# Altium PCB PLD.PcbDoc (part 4 of 4) (continued)
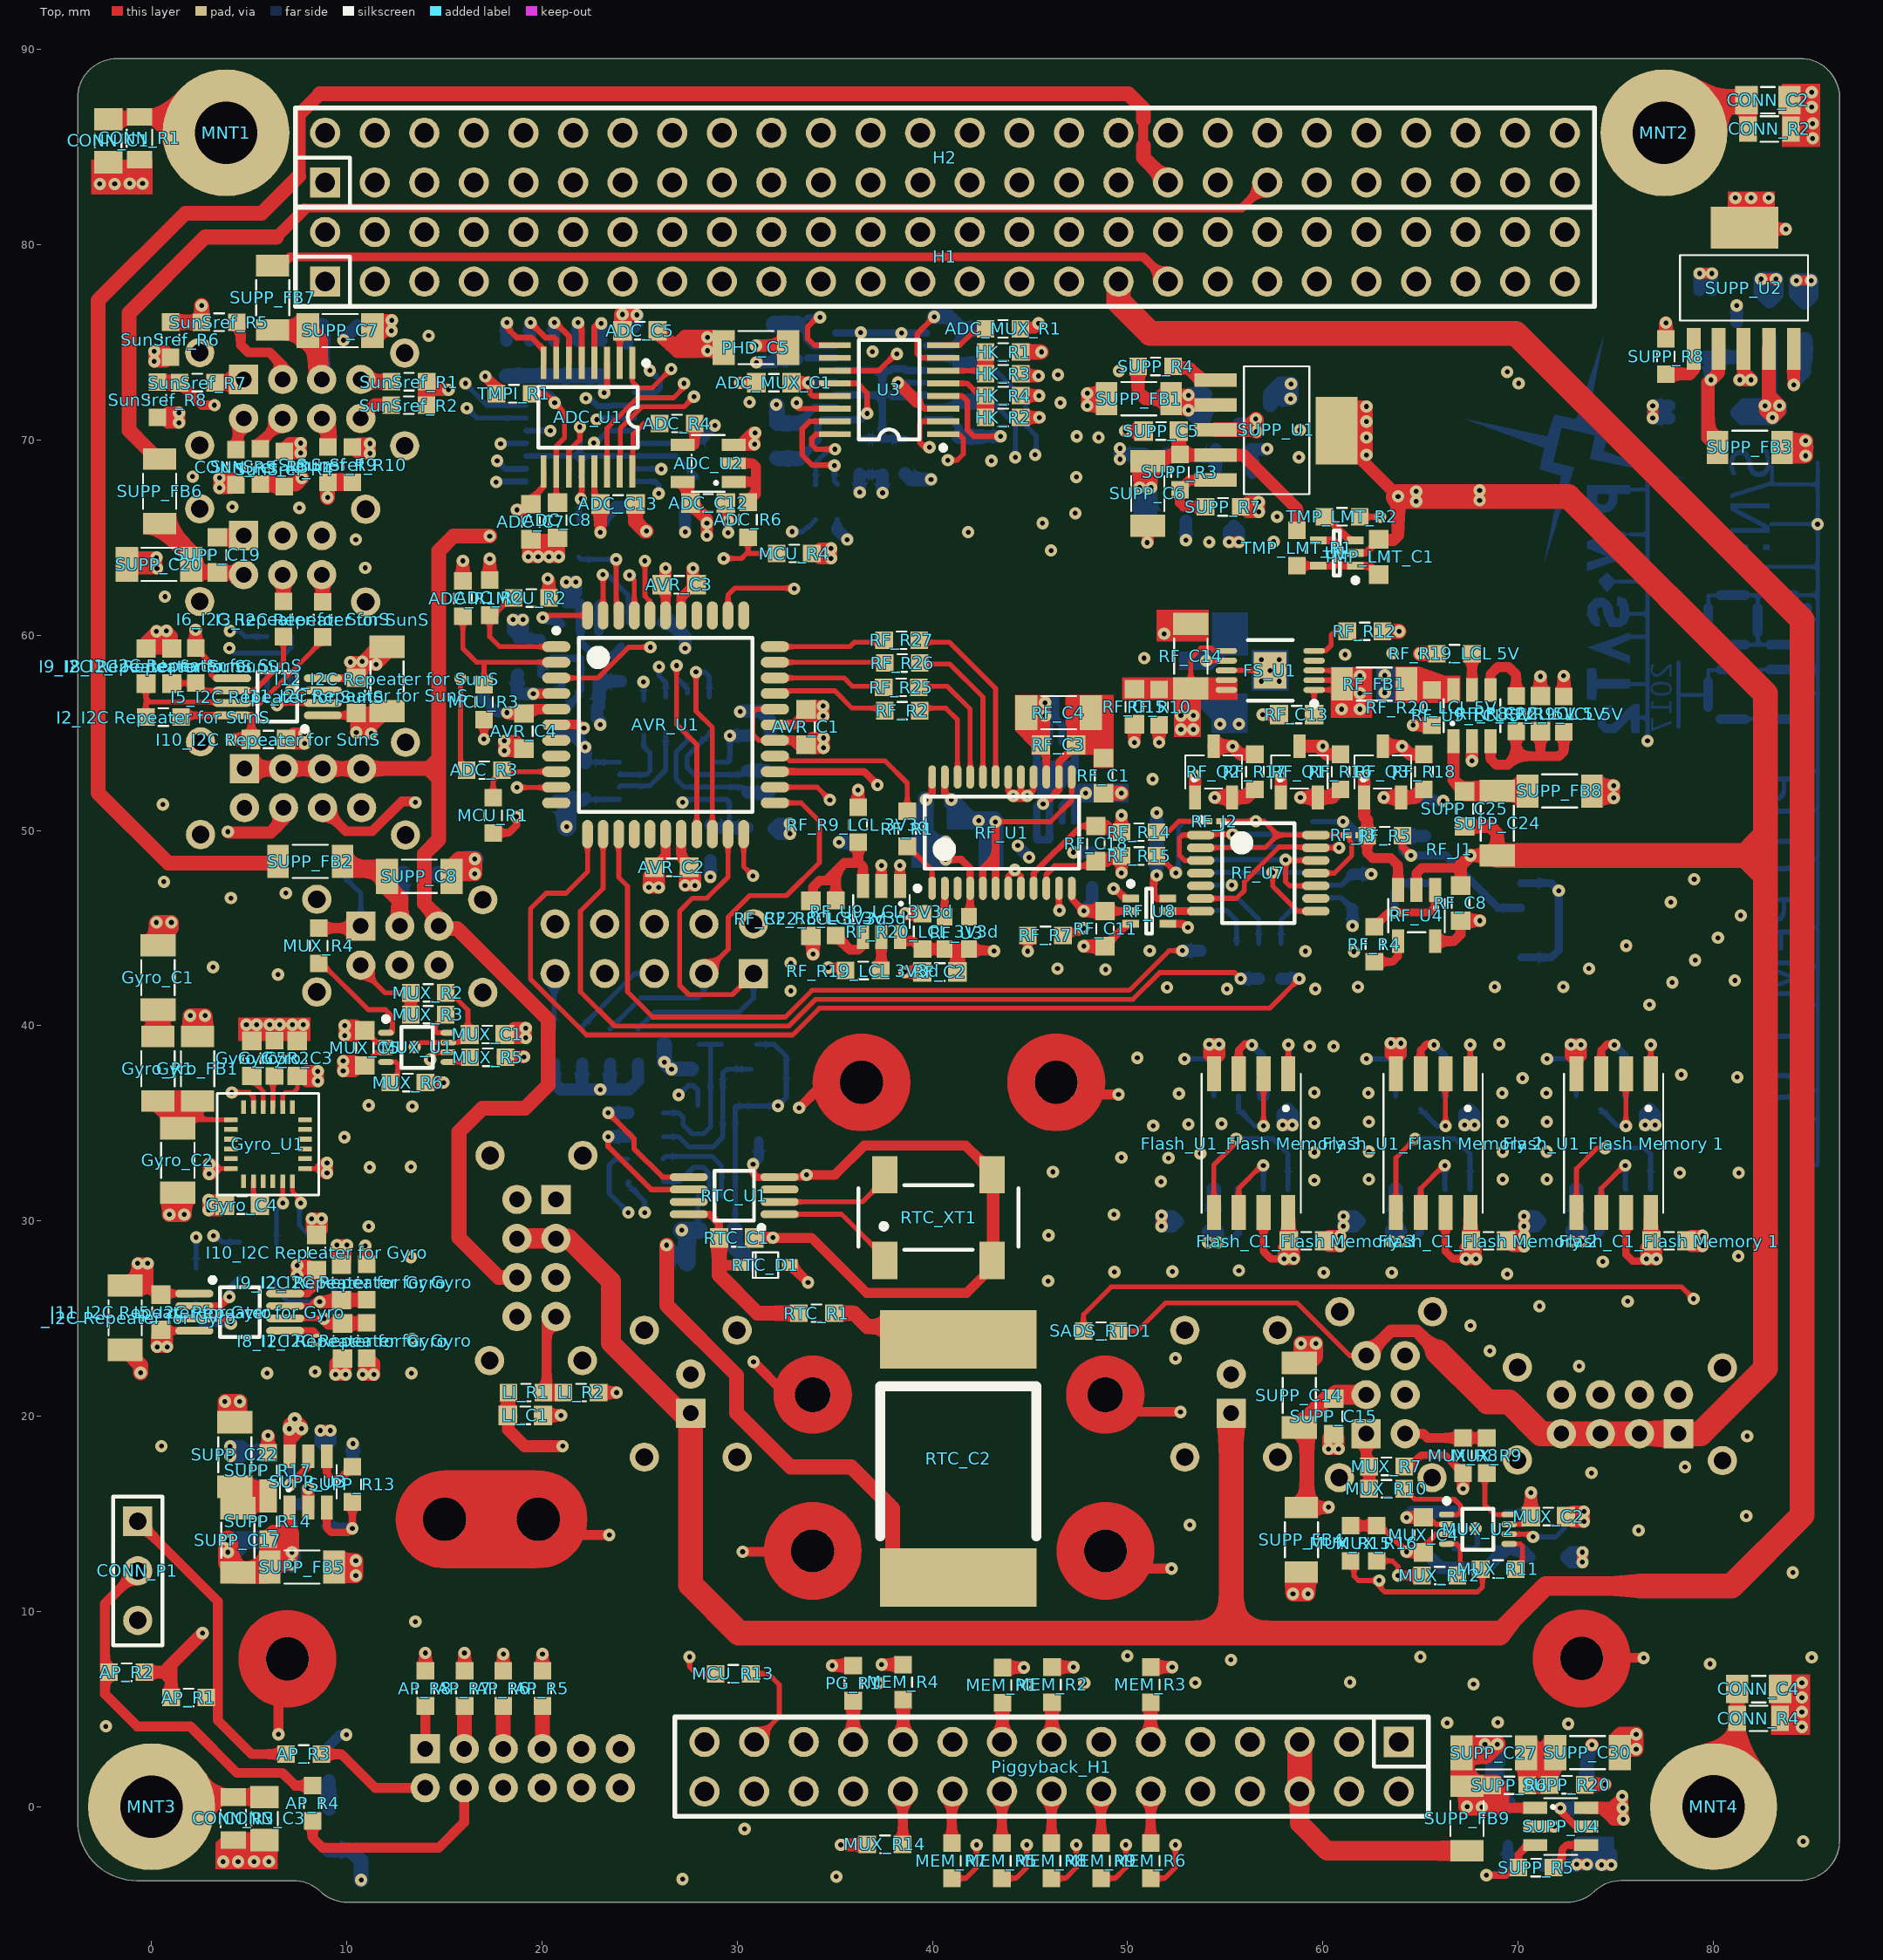
[diagram p0: Top view]
## Nets (pads, with @x,y where several pads share a name; then routed paths per layer and width w, separated by ;. In a path a pad name is that pad's centre, name@x,y a point inside that pad or via, vN(x,y) a via of type N, cw(c..) or ccw(c..) an arc to the next point about the centre after c; other vN are vias at no path point) (continued)
SCK: ADC_R6.2 AVR_U1.3 MCU_R4.2 | length 15.1
  Top w0.254: AVR_U1.3@20.728,57.812 22.857,57.812 24.431,59.386 v1(25.548,59.386) ; v1(29.308,63.932) 30.222,63.932 30.476,64.186 MCU_R4.2@32.015,64.186 ; 30.552,64.263 ADC_R6.2@30.552,65.014
  Signal Layer 1 w0.254: v1(25.548,59.386) 25.548,59.538 29.308,63.297 v1(29.308,63.932)
SCK_R: "Flash_U1_Flash Memory 1.6" "Flash_U1_Flash Memory 2.6" "Flash_U1_Flash Memory 3.6" "U4_FRAM Memory 1.6" "U4_FRAM Memory 2.6" "U4_FRAM Memory 3.6" MEM_R3.2 | length 62.2
  Top w0.254: 55.688,30.428 55.688,31.665 56.864,32.841 v1(56.947,32.841) ; 65.009,30.428 65.009,31.665 66.186,32.841 v1(66.243,32.841) ; 74.255,30.428 74.255,31.665 75.431,32.841 v1(75.489,32.841)
  Top w0.635: MEM_R3.2@51.177,7.149 v1(52.28,7.149)
  Signal2 w0.254: v1(52.28,7.149) 54.123,8.992 54.123,26.34 53.234,27.229 53.234,31.865 54.21,32.841 v1(56.947,32.841) v1(66.243,32.841) v1(75.489,32.841)
  Bottom w0.254: 56.943,31.621 56.947,31.625 v1(56.947,32.841) ; v1(66.243,32.841) 66.243,31.643 66.265,31.621 ; v1(75.489,32.841) 75.489,31.643 75.511,31.621
SCL: "I3_I2C Repeater for PLD.1" AVR_U1.19 | length 10.7
  Top w0.254: v1(26.895,58.446) 26.895,55.423 27.928,54.39 AVR_U1.19@27.928,49.812
  Bottom w0.254: v1(26.895,58.446) 26.895,57.811 27.453,57.252 27.453,57.06
SDA: "I6_I2C Repeater for PLD.1" AVR_U1.20 | length 10.5
  Top w0.254: v1(27.885,58.116) 27.885,56.109 28.728,55.267 AVR_U1.20@28.728,49.812
  Bottom w0.254: v1(27.885,58.116) 28.342,58.116 28.571,57.887 28.571,56.831
SENS_3V3D: "I1_I2C Repeater for PLD.1" "I2_I2C Repeater for PLD.1" "I5_I2C Repeater for PLD.5" "I5_I2C Repeater for PLD.8" "I10_I2C Repeater for PLD.2" "RF_U9_LCL 3V3d.1" ADC_C11.1 ADC_C12.1 ADC_C13.1 ADC_U1.13 ADC_U2.5 AVR_C1.1 AVR_C2.1 AVR_C3.1 AVR_C4.1 AVR_P1.4 AVR_U1.5 AVR_U1.17 AVR_U1.27 AVR_U1.29 AVR_U1.38 HK_R1.1 MCU_R1.1 MCU_R2.1 MCU_R3.1 MCU_R4.1 MCU_R9.1 MCU_R10.1 MCU_R11.1 MCU_R12.1 R1.1 RF_C20.1 RF_R21.2 RF_U10.4 SUPP_C10.1 SUPP_C13.1 SUPP_R10.1 SUPP_U2.4 | length 160.3
  Top w0.254: AVR_U1.27@31.928,54.612 31.102,54.612 30.806,54.908 30.806,56.033 30.985,56.212 AVR_U1.29@31.928,56.212
  Top w0.305: ADC_U1.13@22.679,68.389 22.679,67.029 ADC_C13.1@22.989,66.719
  Top w0.381: v1(17.027,54.674) MCU_R3.1@17.027,55.674 ; MCU_R1.1@17.497,49.875 18.298,49.875 18.69,50.267 v1(18.69,50.699)
  Top w0.508: AVR_C4.1@19.071,55.993 19.29,56.212 AVR_U1.5@20.728,56.212 ; AVR_C2.1@25.741,48.108 26.328,48.695 AVR_U1.17@26.328,49.812 ; AVR_U1.38@27.128,61.012 27.128,61.919 AVR_C3.1@27.718,62.51 ; AVR_U1.27@31.928,54.612 32.851,54.612 AVR_C1.1@33.067,54.396 ; 38.335,47.158 v1(38.335,48.21)
  Top w0.6: ADC_U2.5@27.453,67.793 27.453,66.928 ADC_C12.1@27.612,66.769
  Top w0.635: v1(18.208,56.033) 18.248,55.993 AVR_C4.1@19.071,55.993 ; v1(20.291,62.891) 20.352,62.829 MCU_R2.1@20.352,61.9 ; v1(22.989,65.273) ADC_C13.1@22.989,66.719 ; ADC_C12.1@27.612,66.769 28.444,65.937 v1(28.444,65.736) v1(28.444,65.101) ; AVR_C3.1@27.718,62.51 27.718,63.41 v1(27.733,63.424) ; v1(83.029,71.146) 82.648,71.527 v1(82.648,71.756) v1(83.384,71.756) ; v1(25.474,47.082) 25.978,47.082 25.978,47.653 25.726,47.905 25.474,47.653 v1(25.474,47.082) ; AVR_C1.1@33.6,54.484 33.852,54.735 34.423,54.735 v1(34.423,54.232) 33.852,54.232 AVR_C1.1@33.6,54.484 ; MCU_R4.1@33.981,64.186 34.233,63.935 v1(34.804,63.935) 34.804,64.438 34.233,64.438 MCU_R4.1@33.981,64.186
  Top w0.711: v1(82.648,71.756) 82.845,71.953 82.845,72.295 ; SUPP_U2.4@82.845,74.668 82.845,72.295 ; v1(83.029,71.146) 83.384,71.502 v1(83.384,71.756) 82.845,72.295
  Top w0.762: HK_R1.1@44.517,74.506 v1(45.582,74.506)
  Power w0.635: 19.643,41.644 20.011,41.276 22.983,41.276 v1(22.983,36.729)
  Power w0.762: v1(27.733,63.424) 29.676,61.481 33.288,61.481 33.428,61.621
  Power w2.54: 35.353,63.12 36.115,62.358 73.965,62.358 v1@82.842,71.234
  Signal2 w0.254: v1(28.444,65.736) 29.206,66.498 40.331,66.498 42.211,68.377 42.211,71.591 45.125,74.506 v1(45.582,74.506)
  Bottom w0.254: v1(27.199,51.436) 27.352,51.588 28.737,51.588 29.484,51.588 29.598,51.474 29.598,50.382 ; 28.737,53.493 29.535,53.493 29.623,53.582 v1(29.623,54.852)
  Bottom w0.508: R1.1@16.927,57.024 16.927,56.781 17.674,56.033 v1(18.208,56.033)
  Bottom w0.635: MCU_R12.1@20.621,38.039 20.621,37.059 20.951,36.729 22.069,36.729 ; MCU_R11.1@22.052,38.039 22.052,36.746 22.069,36.729 ; v1(22.983,55.423) 22.983,55.591 22.816,55.758 RF_R21.2@22.816,56.276 22.917,56.377 RF_U10.4@22.917,57.608 22.946,57.637 RF_C20.1@24.05,57.637 ; v1(22.989,65.273) 22.989,65.769 23.803,66.583 ADC_C11.1@24.235,66.583 ; MCU_R10.1@23.483,38.039 23.483,36.788 23.542,36.729 ; MCU_R9.1@24.913,38.039 24.913,37.186 24.456,36.729 23.542,36.729 ; 28.622,50.278 28.758,50.142 30.527,50.142 ; v1(29.623,54.852) 30.49,54.852 30.501,54.863 ; 22.069,36.729 v1(22.983,36.729) 23.542,36.729
  Bottom w0.762: SUPP_C13.1@82.876,75.224 82.876,71.984 ; v1(82.648,71.756) 82.876,71.984 ; v1(82.648,71.756) 81.605,71.756 SUPP_C10.1@81.25,71.4 81.504,71.146 v1(83.029,71.146) ; v1(82.648,71.756) 83.029,71.375 v1(83.029,71.146) ; 82.876,71.984 83.156,71.984 v1(83.384,71.756) 83.384,71.502 v1(83.029,71.146)
  other v1: 25.98,47.082 34.423,54.737 34.804,64.44
SENS_4V1A: ADC_C5.1 ADC_C10.1 ADC_U1.2 PHD_R6.1 SUPP_C1.1 SUPP_C4.1 SUPP_R2.1 SUPP_R8.1 SUPP_REF1.1 TMPI_R1.2 | length 85.2
  Top w0.305: ADC_U1.2@23.979,73.939 23.979,75.307 ADC_C5.1@24.27,75.598
  Top w0.508: v1(17.09,73.254) 17.663,72.681 TMPI_R1.2@17.663,72.365
  Top w0.686: SUPP_R8.1@77.568,75.17 v1(77.568,75.997)
  Top w0.889: ADC_C5.1@24.126,75.742 v1(24.126,76.429)
  Power w0.635: v1(17.09,73.254) 21.967,73.254 24.126,75.413 v1(24.126,76.429) ; v1@24.863,76.429 32.769,76.429 38.23,70.968 38.23,69.694 39.852,68.073 45.487,68.073 46.553,69.138 49.169,69.138 v1(49.602,69.571)
  Signal2 w0.254: v1@49.666,68.898 57.414,68.898 58.086,69.57 58.086,70.74 59.915,72.568 69.348,72.568 69.729,72.187 70.318,72.187 70.826,72.695 71.954,72.695 75.256,75.997 v1(77.568,75.997)
  Bottom w0.635: v1@49.577,69.292 50.846,69.292 SUPP_R2.1@50.999,69.138 ; SUPP_R2.1@51.025,69.164 SUPP_C1.1@52.98,69.164 54.302,69.164 54.479,68.987 ; SUPP_REF1.1@54.494,68.316 54.494,69.496 SUPP_C4.1@54.519,69.52
  Bottom w0.686: v1(24.126,76.429) 24.356,76.2 ADC_C10.1@24.356,75.465 ; ADC_C10.1@24.356,74.956 ADC_C10.1@24.356,75.465 ; v1(24.863,76.404) 24.863,75.972 ADC_C10.1@24.356,75.465 ; PHD_R6.1@38.603,68.261 38.886,67.978 v1(39.925,67.978)
  other v1: 49.602,69.012
SENS_4V5A: ADC_MUX_C1.1 PHD_C5.1 PHD_C6.2 PHD_U1.4 SUPP_C5.1 SUPP_C6.1 SUPP_R2.2 SUPP_R3.1 SUPP_U1.4 TMP_IF_C1.1 TMP_IF_U1.13 TMP_LMT_R1.2 U3.13 | length 62.7
  Top w0.279: v1(33.634,72.931) 33.711,72.855 33.711,72.397 33.858,72.25 U3.13@35,72.25
  Top w0.635: v1(30.959,74.829) 32.507,74.829 PHD_C5.1@32.609,74.727 ; ADC_MUX_C1.1@32.782,72.931 v1(33.634,72.931) ; SUPP_C5.1@52.61,70.46 52.61,69.317 SUPP_R3.1@52.676,69.252 ; TMP_LMT_R1.2@58.67,65.366 58.67,66.472 55.921,69.221 SUPP_U1.4@54.501,69.221 52.706,69.221 SUPP_R3.1@52.676,69.252 ; SUPP_C6.1@51.025,69.138 50.618,68.732 v1(50.618,67.565) v1(51.202,67.565) 51.202,68.961 SUPP_C6.1@51.025,69.138 ; SUPP_C6.1@51.025,69.138 52.562,69.138 SUPP_R3.1@52.676,69.252
  Power w0.635: v1(28.85,70.74) 29.308,71.197 29.308,73.903 30.234,74.829 v1(30.959,74.829) 31.736,74.829 v1(33.634,72.931) 39.426,67.14 50.193,67.14 ; 50.193,67.14 v1(50.618,67.565) v1@50.999,67.565 ; 50.193,67.14 50.574,67.14 ; 50.574,67.14 50.777,67.14 v1(51.202,67.565) v1@50.999,67.565 ; 50.574,67.14 v1@50.999,67.565
  Bottom w0.279: TMP_IF_U1.13@24.739,69.824 27.822,69.824 TMP_IF_C1.1@27.911,69.912
  Bottom w0.381: v1(33.634,72.931) 33.636,72.933 PHD_U1.4@35.044,72.933
  Bottom w0.508: TMP_IF_C1.1@28.108,69.997 v1(28.85,70.74)
  Bottom w0.635: PHD_C6.2@32.782,72.931 v1(33.634,72.931) ; v1(51.202,67.565) 51.202,66.042 SUPP_R2.2@50.999,65.838 ; SUPP_R2.2@50.999,65.838 50.618,66.219 v1(50.618,67.565) 50.999,67.565 SUPP_R2.2@50.999,65.838
STACK_CAM_NADIR_3V3: H2.37 SUPP_FB4.1 | length 115.4
  Top w0.508: SUPP_FB4.1@58.899,12.016 SUPP_FB4.1@58.949,12.067
  Top w0.762: v1(58.467,10.897) v1(59.229,10.897) 59.229,11.686 SUPP_FB4.1@58.899,12.016 58.467,11.584 v1(58.467,10.897)
  Signal2 w0.559: 55.881,77.457 55.881,78.762 ; 55.881,79.997 55.881,81.302
  Signal2 w0.762: H2.37@54.61,83.19 55.881,81.919 55.881,81.302 ; 55.881,77.457 55.881,76.586 57.358,75.108 67.814,75.108 v1(69.44,73.483) v1(70.024,72.899) ; 55.881,78.762 55.881,79.997
  Signal Layer 1 w0.762: v1(58.467,10.897) v1(59.229,10.897) 61.286,10.897 61.794,10.389 75.688,10.389 82.991,17.692 82.991,59.932 v1(70.024,72.899) v1(69.44,73.483)
STACK_CAM_WING_3V3: H2.35 SUPP_FB2.1 | length 99.8
  Top w0.508: 50.8,85.077 50.8,86.382
  Top w0.6: 7.594,83.57 7.594,86.708
  Top w0.7: 7.594,86.708 8.618,87.732
  Top w0.762: SUPP_FB2.1@6.067,48.322 0.853,48.322 -2.747,51.922 -2.747,77.14 1.723,81.61 5.634,81.61 7.531,83.507 ; 8.618,87.732 50.037,87.732 50.8,86.97 50.8,86.382 ; 50.8,85.077 50.8,84.46 H2.35@52.07,83.19
STACK_SENS_5V: H1.35 SUPP_FB1.1 SUPP_FB3.1 SUPP_FB7.1 SUPP_FB8.1 | length 132.8
  Top w0.45: SUPP_FB7.1@6.635,78.928 7.074,79.367 50.813,79.367 H1.35@52.071,78.11
  Top w0.508: SUPP_FB3.1@83.51,69.622 83.61,69.622 84.729,69.622 84.883,69.622
  Top w0.559: SUPP_FB7.1@6.204,78.928 SUPP_FB7.1@6.635,78.928
  Top w0.635: SUPP_FB8.1@74.048,51.664 v1(74.901,51.664) v1(74.901,52.299) SUPP_FB8.1@74.048,52.299 ; v1(47.926,71.756) v1(47.926,72.391) 48.638,72.391 SUPP_FB1.1@48.917,72.111 48.562,71.756 v1(47.926,71.756)
  Top w0.762: SUPP_FB3.1@83.61,69.622 84.042,69.19 v1(84.729,69.19) 84.729,69.622 v1(84.729,69.952) 83.94,69.952 SUPP_FB3.1@83.61,69.622
  Power w0.508: v1(47.926,71.756) v1(47.926,72.391) ; 83.943,74.753 85.15,73.546 85.15,71.631
  Power w1.27: H1.35@52.071,78.11 52.071,76.323 53.641,74.753 83.943,74.753 84.654,74.753 85.277,74.131 85.277,70.265 74.901,59.889 v1(74.901,52.299) v1(74.901,51.664)
  Signal Layer 1 w0.508: 52.071,77.247 H1.35@52.071,78.11
  Signal Layer 1 w1.27: v1@47.986,71.816 47.986,74.153 48.815,74.981 51.177,74.981 52.071,75.875 52.071,77.247
STACK_SUNS_3V3: H2.39 SUPP_FB6.1 | length 69.2
  Top w0.45: 7.836,81.882 55.842,81.882 H2.39@57.15,83.19
  Top w0.6: 6.397,80.392 7.836,81.83
  Top w0.762: SUPP_FB6.1@0.413,69.022 0.317,69.022 0.309,69.03 -0.321,69.66 -1.147,70.486 -1.147,76.505 2.739,80.392 6.397,80.392
SUNS_3V3: "I1_I2C Repeater for SunS.1" "I2_I2C Repeater for SunS.1" "I5_I2C Repeater for SunS.5" "I5_I2C Repeater for SunS.8" "I10_I2C Repeater for SunS.2" CONN_H10.4 SUPP_C19.1 SUPP_C20.1 SUPP_FB6.2 | length 26.7
  Top w0.254: 2.257,59.346 3.037,58.566 3.037,57.996 3.235,57.798 4.123,57.798
  Top w0.381: 1.506,55.804 1.595,55.893 4.123,55.893 5.114,55.893 5.114,54.685 5.09,54.661
  Top w0.635: SUPP_C20.1@2.002,63.628 2.419,63.21 SUPP_C19.1@3.374,63.21 4.605,63.21 CONN_H10.4@4.714,63.101 ; 2.257,59.346 v1(2.257,60.275) ; v1(4.085,54.661) 5.09,54.661
  Top w1.016: SUPP_FB6.2@0.413,65.722 2.002,64.133 SUPP_C20.1@2.002,63.628
  Power w0.254: 4.085,56.49 4.085,56.643 ; CONN_H10.4@4.714,63.101 CONN_H10.4@5.101,62.714
  Power w0.508: v1(4.085,54.661) 4.085,56.49 2.257,58.319 v1(2.257,60.275) 2.942,60.275 4.714,62.046 CONN_H10.4@4.714,63.101
SUNSREF_5V: CONN_H1.3 SUPP_C7.1 SUPP_C23.2 SUPP_FB7.2 | length 7.4
  Top w1.016: SUPP_FB7.2@6.204,75.628 7.982,75.628 SUPP_C7.1@8.008,75.601 8.53,75.079 8.53,73.285 CONN_H1.3@8.714,73.101
  Bottom w0.8: CONN_H1.3@8.733,73.12 SUPP_C23.2@8.733,75.855
  Bottom w1.016: CONN_H1.3@8.714,73.101 CONN_H1.3@8.733,73.12
TCK: AVR_P1.1 AVR_U1.21 MCU_R9.2 | length 21.5
  Top w0.254: AVR_U1.21@29.528,49.812 29.528,47.616 28.446,46.533 27.707,46.533 27.047,45.873 27.047,42.063 27.518,41.592 29.751,41.592 AVR_P1.1@30.832,42.673
  Bottom w0.254: MCU_R9.2@24.913,39.839 25.777,40.702 30.106,40.702 30.832,41.428 AVR_P1.1@30.832,42.673
TDI: AVR_P1.9 AVR_U1.24 MCU_R12.2 | length 25.1
  Top w0.254: AVR_P1.9@20.646,42.647 AVR_P1.9@20.672,42.673 ; AVR_U1.24@31.928,52.212 34.094,52.212 v1(34.743,51.563)
  Signal Layer 1 w0.254: AVR_P1.9@20.672,42.673 20.672,42.8 21.764,43.892 26.107,43.892 27.072,44.857 27.072,46.025 27.58,46.533 28.647,46.533 30.552,48.438 32.635,48.438 34.743,50.547 v1(34.743,51.563)
  Bottom w0.254: MCU_R12.2@20.621,39.839 20.621,42.622 AVR_P1.9@20.672,42.673
TDO: AVR_P1.3 AVR_U1.23 MCU_R10.2 | length 20.6
  Top w0.254: AVR_P1.3@28.292,42.673 29.536,43.917 29.536,45.568 30.628,46.66 32.522,46.66 34.21,48.348 34.21,50.47 33.268,51.412 AVR_U1.23@31.928,51.412
  Bottom w0.254: MCU_R10.2@23.483,39.839 25.072,41.428 28.012,41.428 28.292,41.707 AVR_P1.3@28.292,42.673
TMS: AVR_P1.5 AVR_U1.22 MCU_R11.2 | length 15.6
  Top w0.254: AVR_U1.22@30.328,49.812 30.328,48.155 v1(30.806,47.676)
  Signal Layer 1 w0.254: AVR_P1.5@25.752,42.673 26.971,43.892 29.104,43.892 29.536,44.324 29.536,46.406 v1(30.806,47.676)
  Bottom w0.254: MCU_R11.2@22.052,39.839 22.052,39.963 24.761,42.673 AVR_P1.5@25.752,42.673
WDG: AVR_U1.44 RF_U10.1 | length 3.5
  Top w0.254: v1(20.037,60.899) 20.149,61.012 AVR_U1.44@22.328,61.012
  Bottom w0.381: v1(20.037,60.899) 20.197,60.739 20.836,60.739 RF_U10.1@21.017,60.558
pads on no net: AVR_P1.7 AVR_P1.8 AVR_U1.7 AVR_U1.8 AVR_U1.11 AVR_U1.15 AVR_U1.16 AVR_U1.34 AVR_U1.36 AVR_U1.37 FS_U1.4 Gyro_U1.2 Gyro_U1.3 Gyro_U1.4 Gyro_U1.5 Gyro_U1.6 Gyro_U1.7 Gyro_U1.12 Gyro_U1.14 Gyro_U1.15 Gyro_U1.16 Gyro_U1.17 Gyro_U1.19 Gyro_U1.21 Gyro_U1.22 H1.1 H1.2 H1.3 H1.4 H1.5 H1.6 H1.7 H1.8 H1.10 H1.12 H1.14 H1.16 H1.18 H1.19 H1.20 H1.22 H1.24 H1.25 H1.26 H1.27 H1.28 H1.29 H1.30 H1.31 H1.32 H1.36 H1.42 H1.44 H1.45 H1.46 H1.47 H1.48 H1.49 H1.50 H1.51 H1.52 H2.1 H2.2 H2.3 H2.4 H2.5 H2.6 H2.7 H2.8 H2.9 H2.10 H2.11 H2.12 H2.13 H2.14 H2.15 H2.16 H2.17 H2.18 H2.19 H2.20 H2.21 H2.22 H2.23 H2.24 H2.25 H2.26 H2.31 H2.33 H2.34 H2.36 H2.38 H2.40 H2.41 H2.42 H2.43 H2.44 H2.45 H2.46 H2.47 H2.48 H2.49 H2.50 H2.51 H2.52 Piggyback_H1.1 Piggyback_H1.2 Piggyback_H1.3 Piggyback_H1.4 Piggyback_H1.8 Piggyback_H1.10 RF_U1.3 RF_U7.4 RF_U7.5 RF_U7.9 RF_Z1.1 RF_Z1.2 RF_Z1.3 RF_Z1.7 RTC_U1.3 RTC_U1.7 U3.10

## Polygon pours and split planes (outlines as drawn)
RF_AGND on Signal2 "RF_AGND" (solid, remove dead copper, pour order 26): 43.557,52.071 43.557,43.689 63.68,43.689 68.542,53.613 65.566,60.58 51.138,60.58
AGND on Signal2 "AGND" (solid, remove dead copper, pour order 30): -0.258,76.683 -0.258,67.183 16.684,67.183 16.684,63.818 21.434,63.818 21.434,66.599 49.196,66.599 50.624,64.37 65.198,64.37 65.198,73.762 42.254,73.762 36.877,76.683
DGND on Signal2 "S2_DGND" (solid, remove dead copper, pour order 36): -4.932,90.78 -4.932,-5.867 87.169,-5.867 87.169,90.78
RF_AGND on Signal Layer 1 "RF_AGND" (solid, remove dead copper, pour order 24): 43.557,52.071 43.557,56.439 43.557,43.689 71.802,43.689 71.802,60.58 51.138,60.58
AGND on Signal Layer 1 "AGND" (solid, remove dead copper, pour order 28): -0.258,76.683 -0.258,67.183 16.684,67.183 16.684,63.818 21.434,63.818 21.434,66.599 49.196,66.599 50.624,64.37 65.198,64.37 65.198,73.762 42.254,73.762 36.877,76.683
DGND on Signal Layer 1 "S1_DGND" (solid, remove dead copper, pour order 38): -4.932,90.78 -4.932,-5.867 87.169,-5.867 87.169,90.78
RAD_4V5A on Power "RAD_4V5A" (solid, remove dead copper, pour order 18): 47.113,43.155 47.24,43.282 47.24,56.846 70.1,56.846 70.1,43.282
OBC_BUS_3V3 on Power "OBC_BUS_3V3" (solid, remove dead copper, pour order 12): 87.122,40.971 25.802,40.971 25.802,4.852 87.122,4.852
SENS_3V3D on Power "SENS_3V3D" (solid, remove dead copper, pour order 14): 18.386,40.895 39.137,40.895 39.137,62.535 34.159,67.514 17.192,67.463 15.439,65.71 15.439,51.537 18.386,51.537
OBC_PLD_3V3 on Power "OBC_PLD_3V3" (solid, remove dead copper, pour order 16): 25.802,4.852 25.802,40.92 25.802,55.271 -3.786,55.271 -3.786,4.852
DGND on Power "DGND" (solid, remove dead copper, pour order 40): -4.191,55.626 14.986,55.626 14.986,65.913 17.018,67.945 34.29,67.945 39.687,62.547 39.687,41.402 87.122,41.402 87.122,90.297 -4.191,90.297
DGND on Power "DGND" (solid, remove dead copper, pour order 42): -4.064,9.144 -4.064,-5.842 87.249,-5.842 87.249,4.318 58.547,4.318 58.547,6.223 53.971,11.024 26.289,11.024 26.289,9.144
RF_AGND on GND "RF_AGND" (solid, remove dead copper, pour order 0): 43.557,52.071 43.557,56.439 43.557,43.689 63.68,43.689 68.542,53.613 65.566,60.58 51.138,60.58
AGND on GND "AGND" (solid, remove dead copper, pour order 4): -0.258,76.683 -0.258,67.183 16.684,67.183 16.684,63.818 21.434,63.818 21.434,66.599 49.196,66.599 50.624,64.37 65.198,64.37 65.198,73.762 42.254,73.762 36.877,76.683
DGND on GND "DGND" (solid, remove dead copper, pour order 8): -4.932,90.78 -4.932,-5.867 87.169,-5.867 87.169,90.78

## Other copper
Top:
  rectangle net DGND: 80.743,81.382 83.156,82.728
  region net AGND: 61.215,72.035 61.215,68.911 62.231,68.911 62.231,72.035
  region net RAD_4V5A: 52.371,56.719 52.371,54.788 53.742,54.788 53.742,56.719
  region net RF_AGND: 54.149,61.291 51.482,61.291 51.482,59.691 54.149,59.691
  region net NetRF_FB1_2: 67.027,57.913 66.265,57.913 64.944,58.395 63.699,58.395 63.699,56.541 67.027,56.541
  region net RAD_4V5A: 55.622,57.836 49.729,57.836 49.729,56.693 55.622,56.693
  region net NetFS_U1_1: 60.397,58.349 62.531,58.349 62.531,55.779 60.397,55.779
  region net NetADC_J2_2: 49.272,53.214 48.256,53.214 48.256,53.874 48.002,53.874 46.884,53.874 46.884,55.093 46.808,55.652 46.808,56.795 46.961,56.947 49.272,56.947
  region net NetRF_C3_1: 44.217,55.119 45.081,54.255 45.081,53.874 46.021,53.874 46.021,54.89 46.021,56.947 44.217,56.947
  region net DGND: 15.012,17.215 14.889,17.092 14.889,12.215 19.689,12.215 19.689,17.215
  region net DGND: 4.441,39.229 8.124,39.229 8.124,40.412 4.441,40.412
  region net AGND: 19.3,65.177 20.61,65.177 20.862,64.925 20.862,64.024 19.291,64.024
  region net NetSUPP_C17_2: 4.418,16.41 4.418,15.29 5.752,15.29 5.967,15.505 5.967,16.322
  region net DGND: 3.273,-1.849 3.801,-1.32 6.448,-1.32 6.448,-3.2 3.273,-3.2
  region net NetSUPP_C27_2: 70.403,2.754 70.467,2.69 70.467,1.093 71.588,1.093 71.613,1.118 71.573,1.158 71.573,2.754
  region net DGND: 82.952,3.684 82.952,6.757 84.959,6.757 84.959,3.684
  region net AGND: 13.661,53.165 14.752,54.256 14.697,52.13
  region net DGND: -3.077,84.354 0.047,84.354 0.047,82.576 -3.077,82.576
  region net DGND: 83.511,88.24 83.511,85.014 85.467,85.014 85.467,88.24
  region net SENS_4V1A: 23.897,76.099 24.863,76.099 24.863,76.709 23.924,76.709
  region net DGND: 79.295,78.264 79.93,78.264 79.93,78.798 79.295,78.798
  region net DGND: 84.248,77.905 84.883,77.905 84.883,78.438 84.248,78.438
  region net DGND: 82.575,77.981 83.21,77.981 83.21,78.514 82.575,78.514
  region net AGND: 55.192,64.51 55.827,64.51 55.827,65.044 55.192,65.044
  region net DGND: 8.647,19.002 9.282,19.002 9.282,19.536 8.647,19.536
  region net DGND: 3.764,18.451 3.764,17.816 4.298,17.816 4.298,18.451
  region net DGND: 73.004,-3.218 73.639,-3.218 73.639,-2.685 73.004,-2.685
  region net DGND: 74.268,-3.244 74.903,-3.244 74.903,-2.71 74.268,-2.71
  region net DGND: 73.557,12.525 73.557,13.16 73.024,13.16 73.024,12.525
  region net OBC_BUS_3V3: 54.126,28.633 54.761,28.633 54.761,29.167 54.126,29.167
  region net DGND: 51.995,29.733 51.995,30.368 51.461,30.368 51.461,29.733
  region net DGND: 58.441,35.174 57.806,35.174 57.806,34.641 58.441,34.641
  region net DGND: 70.038,30.201 70.038,29.566 70.571,29.566 70.571,30.201
  region net DGND: 70.038,29.733 70.038,29.098 70.571,29.098 70.571,29.733
  region net DGND: 76.632,71.756 76.632,71.121 77.165,71.121 77.165,71.756
  region net AGND: 80.768,48.719 82.342,50.293 82.749,50.293 82.534,46.953
  region net EPS_RTN: 74.676,11.786 76.251,11.938 76.276,11.862 76.276,10.668 74.676,10.82
  region net EPS_RTN: 70.053,9.22 69.52,8.509 68.961,8.332 68.961,9.526 69.825,10.185
  region net DGND: 6.954,5.071 cw(c6.954,7.571) 4.454,7.571 cw(c6.954,7.571) 6.954,10.071 cw(c6.954,7.571) 9.454,7.571 cw(c6.954,7.571)
  region net DGND: 15.012,12.215 cw(c15.012,14.715) 12.512,14.715 cw(c15.012,14.715) 15.012,17.215 cw(c15.012,14.715) 17.512,14.715 cw(c15.012,14.715)
  region net DGND: 17.312,14.715 ccw(c19.812,14.715) 19.812,12.215 ccw(c19.812,14.715) 22.312,14.715 ccw(c19.812,14.715) 19.812,17.215 ccw(c19.812,14.715)
  region net DGND: 31.364,13.1 ccw(c33.864,13.1) 33.864,10.6 ccw(c33.864,13.1) 36.364,13.1 ccw(c33.864,13.1) 33.864,15.6 ccw(c33.864,13.1)
  region net DGND: 31.864,21.1 ccw(c33.864,21.1) 33.864,19.1 ccw(c33.864,21.1) 35.864,21.1 ccw(c33.864,21.1) 33.864,23.1 ccw(c33.864,21.1)
  region net DGND: 46.854,21.1 ccw(c48.854,21.1) 48.854,19.099 ccw(c48.854,21.1) 50.854,21.1 ccw(c48.854,21.1) 48.854,23.1 ccw(c48.854,21.1)
  region net DGND: 46.36,13.1 ccw(c48.86,13.1) 48.86,10.6 ccw(c48.86,13.1) 51.36,13.1 ccw(c48.86,13.1) 48.86,15.6 ccw(c48.86,13.1)
  region net DGND: 43.841,37.1 ccw(c46.341,37.1) 46.341,34.6 ccw(c46.341,37.1) 48.841,37.1 ccw(c46.341,37.1) 46.341,39.6 ccw(c46.341,37.1)
  region net DGND: 36.364,34.6 cw(c36.364,37.1) 33.864,37.1 cw(c36.364,37.1) 36.364,39.6 cw(c36.364,37.1) 38.864,37.1 cw(c36.364,37.1)
  region net DGND: 70.756,7.589 ccw(c73.256,7.589) 73.256,5.089 ccw(c73.256,7.589) 75.756,7.589 ccw(c73.256,7.589) 73.256,10.089 ccw(c73.256,7.589)
Power:
  region net SENS_3V3D: 22.043,40.895 23.897,40.895 23.008,40.006 22.983,40.006
  region net SENS_4V1A: 24.024,76.124 24.964,76.124 24.99,76.15 24.99,76.683 24.024,76.683
  region net PC-104_EPS_Kill-Switch_Sec: 7.188,79.883 8.458,79.451 7.188,78.943
  region net SENS_3V3D: 82.067,71.349 82.645,70.771 83.404,70.771 83.404,71.462 82.498,72.368
Signal2:
  pour cut-out: 7.768,82.855 7.336,82.424 7.159,82.424 7.159,81.433 7.311,81.281 8.2,82.17 8.556,82.17
  pour cut-out: -0.744,58.998 -2.004,58.998 -2.188,59.183 -2.122,59.249 -1.135,59.249
Signal Layer 1:
  region net PC-104_EPS_MPPT_X: 7.188,79.781 8.255,79.38 7.188,79.07
GND:
  region net PC-104_EPS_Kill-Switch_Pri: 7.214,79.898 8.407,79.407 7.214,78.969
Bottom:
  region net OBC_BUS_3V3: 75.637,0.534 75.155,0.712 74.697,0.255 74.647,-0.279 75.256,-0.888 75.637,-0.711
  region net RF_AGND: 53.514,56.465 53.514,57.346 53.953,57.346 54.301,56.998 54.301,55.677
  region net RF_AGND: 54.301,56.998 54.301,54.992 56.13,54.992 56.13,56.998
  region net NetFS_U1_7: 54.327,61.164 56.155,61.164 56.155,58.979 54.352,58.979 54.327,58.979
  region net NetFS_U1_7: 52.625,59.157 52.625,58.243 54.327,58.243 55.216,59.132 56.155,59.132 56.155,60.3 54.327,60.3 54.327,59.36 54.123,59.157
  region net RF_AGND: 64.868,58.395 62.734,58.395 62.734,56.541 64.868,56.541
  region net RF_AGND: 64.868,58.395 62.734,58.395 62.734,56.541 64.868,56.541
  region net NetFS_U1_1: 60.397,58.395 62.531,58.395 62.531,55.779 60.397,55.779
  region net RF_AGND: 56.359,59.233 56.359,57.151 58.238,57.151 58.238,59.233
  region net RAD_4V5A: 47.452,51.215 47.672,51.436 50.034,51.436 50.034,52.375 47.469,52.375 46.453,51.359 46.453,51.191
  region net RAD_3V3D: 40.738,50.064 40.738,51.105 40.611,51.232 40.611,51.69 40.839,51.918 41.169,51.918 41.627,51.461 41.843,51.245 42.109,50.978 43.303,50.978 43.633,50.648 43.633,48.057 42.363,48.057 42.363,49.937 42.236,50.064
  region net DGND: 39.442,51.969 39.264,51.769 39.264,51.41 38.934,51.08 38.934,48.083 40.738,48.083 41.068,48.413 41.068,49.505 40.814,49.759 40.357,49.759 40.052,50.064 40.052,51.791 39.874,51.969
  region net NetADC_J2_2: 45.373,51.352 45.373,53.173 45.152,53.394 45.152,53.569 47.494,53.569 47.494,52.96 46.186,51.652 46.186,51.352
  region net NetRF_C3_1: 46.3,55.474 45.589,55.474 45.437,55.627 45.437,56.947 46.351,56.947 46.478,56.82 46.478,55.83 46.834,55.474 46.834,55.246 46.529,55.246
  region net DGND: 71.853,71.298 71.497,70.181 67.179,71.095 71.345,69.571 71.091,68.504 72.208,68.149 71.345,63.729 72.869,68.606 71.802,68.86 72.208,70.638 73.935,70.232 73.681,69.012 78.609,67.996 74.393,69.419 74.647,70.587 73.529,70.892 74.393,75.312 72.97,71.044
  region net DGND: 75.002,55.601 75.561,56.211 75.917,56.465 76.221,56.465 76.221,54.992 75.815,54.992 75.764,55.754 75.002,54.992 74.393,54.992 74.088,55.347 74.088,55.957 74.443,56.363 74.799,56.414 74.799,55.957 74.494,55.855 74.443,55.652 74.545,55.449 74.799,55.449
  region net DGND: 75.713,57.735 75.713,57.278 74.037,57.278 73.986,56.668 73.529,56.719 73.529,58.294 73.986,58.294 74.037,57.735
  region net DGND: 75.713,60.122 73.554,59.373 75.713,58.548 75.713,58.954 74.748,59.36 75.713,59.767
  region net DGND: 74.85,61.291 74.85,61.443 74.647,61.748 74.342,61.951 73.935,61.9 73.58,61.545 73.529,61.037 73.732,60.63 73.935,60.478 74.189,60.478 74.189,60.884 74.037,61.037 74.037,61.392 74.291,61.443 74.393,61.088 74.494,60.783 74.697,60.427 75.256,60.427 75.561,60.63 75.713,61.037 75.663,61.469 75.51,61.85 75.104,62.002 75.053,61.494 75.205,61.443 75.205,60.986 75.104,60.834 74.951,60.935
  region net DGND: 74.545,62.205 74.088,62.764 74.545,63.221 75.053,62.739
  region net DGND: 73.529,66.015 75.713,65.152 74.342,64.644 75.713,64.034 73.529,63.272 73.529,63.729 74.545,64.034 73.529,64.44 73.529,64.796 74.494,65.152 73.529,65.558
  region net DGND: 75.713,67.692 73.529,67.692 73.529,66.828 73.681,66.523 73.935,66.32 74.189,66.269 74.443,66.269 74.647,66.32 74.85,66.422 75.053,66.726 75.104,67.234 74.647,67.234 74.647,66.93 74.596,66.828 74.443,66.676 74.189,66.726 74.037,66.828 74.037,67.234 75.713,67.234
  region net AGND: 21.967,68.758 21.967,68.657 22.424,69.114 22.018,69.52 22.018,69.546 21.84,69.546 21.51,69.216
  region net NetSUPP_C28_2: 70.695,2.287 70.721,2.261 70.721,1.118 71.689,1.118 71.715,1.144 71.715,2.287
  region net DGND: 72.919,-1.549 72.919,-2.933 73.237,-3.251 74.901,-3.251 74.901,-1.549
  region net SENS_3V3D: 29.593,50.668 29.335,50.41 29.003,50.216 30.171,50.216 29.841,50.42
  region net OBC_PLD_3V3: 7.299,18.632 7.675,19.008 7.676,19.372 7.074,19.372 7.057,19.355
  region net AGND: 12.028,75.591 12.028,76.226 12.561,76.226 12.561,75.591
  region net AGND: -0.124,74.029 -0.124,74.664 0.409,74.664 0.409,74.029
  region net AGND: 1.141,70.883 1.141,71.518 1.675,71.518 1.675,70.883
  region net DGND: 0.012,63.424 0.012,64.059 0.546,64.059 0.546,63.424
  region net DGND: 0.758,59.962 0.123,59.962 0.123,60.495 0.758,60.495
  region net DGND: 81.936,72.814 81.301,72.814 81.301,73.348 81.936,73.348
  region net DGND: 11.502,58.387 10.156,58.387 10.156,58.921 11.463,58.921 11.76,58.623
  region net DGND: 17.808,54.079 17.808,54.714 18.342,54.714 18.342,54.079
  region net SENS_3V3D: 34.161,54.232 34.161,54.867 34.695,54.867 34.695,54.232
  region net DGND: 34.136,55.857 34.136,56.492 34.669,56.492 34.669,55.857
  region net SENS_3V3D: 28.182,65.101 28.182,65.736 28.715,65.736 28.715,65.101
  region net DGND: 29.274,65.253 29.274,65.888 29.808,65.888 29.808,65.253
  region net DGND: 30.62,69.774 30.62,70.409 31.154,70.409 31.154,69.774
  region net SENS_3V3D: 34.542,63.935 34.542,64.57 35.076,64.57 35.076,63.935
  region net STACK_SENS_5V: 47.664,71.756 47.664,72.391 48.197,72.391 48.197,71.756
  region net AGND: 64.513,66.856 64.513,67.491 65.046,67.491 65.046,66.856
  region net AGND: 67.764,66.906 67.764,67.541 68.298,67.541 68.298,66.906
  region net STACK_SENS_5V: 84.467,69.19 84.467,69.825 85,69.825 85,69.19
  region net AGND: 56.447,66.322 56.447,66.957 56.98,66.957 56.98,66.322
  text "S/N:" at 82.902,69.673 h2 r90
  text "2017" at 78.213,58.61 h1.8 r90
  text "PLD PFM 1.0" at 84.553,53.036 h2 r90

## Silkscreen, mask and mechanical layers (free items; w line width, h text height)
Mechanical 1:
  the board outline again, w0.127

## Text inside footprints (layer, text, board x,y; h text height)
AVR_P1: Bottom Overlay "2" at 33.372,47.043 h1.27; Bottom Overlay "1" at 32.864,47.043 h1.27; Bottom Overlay "9" at 19.148,47.043 h1.27; Bottom Overlay "10" at 19.148,47.043 h1.27
Gyro_U1: Mechanical 13 "+Z" at 3.057,35.21 h0.5 r180; Mechanical 13 "+Y" at 2.215,32.385 h0.5 r180; Mechanical 13 "+X" at 1.867,33.685 h0.5 r180